# Altium PCB pico-fmeter-AS65-2.PcbDoc (part 2 of 3) (continued)
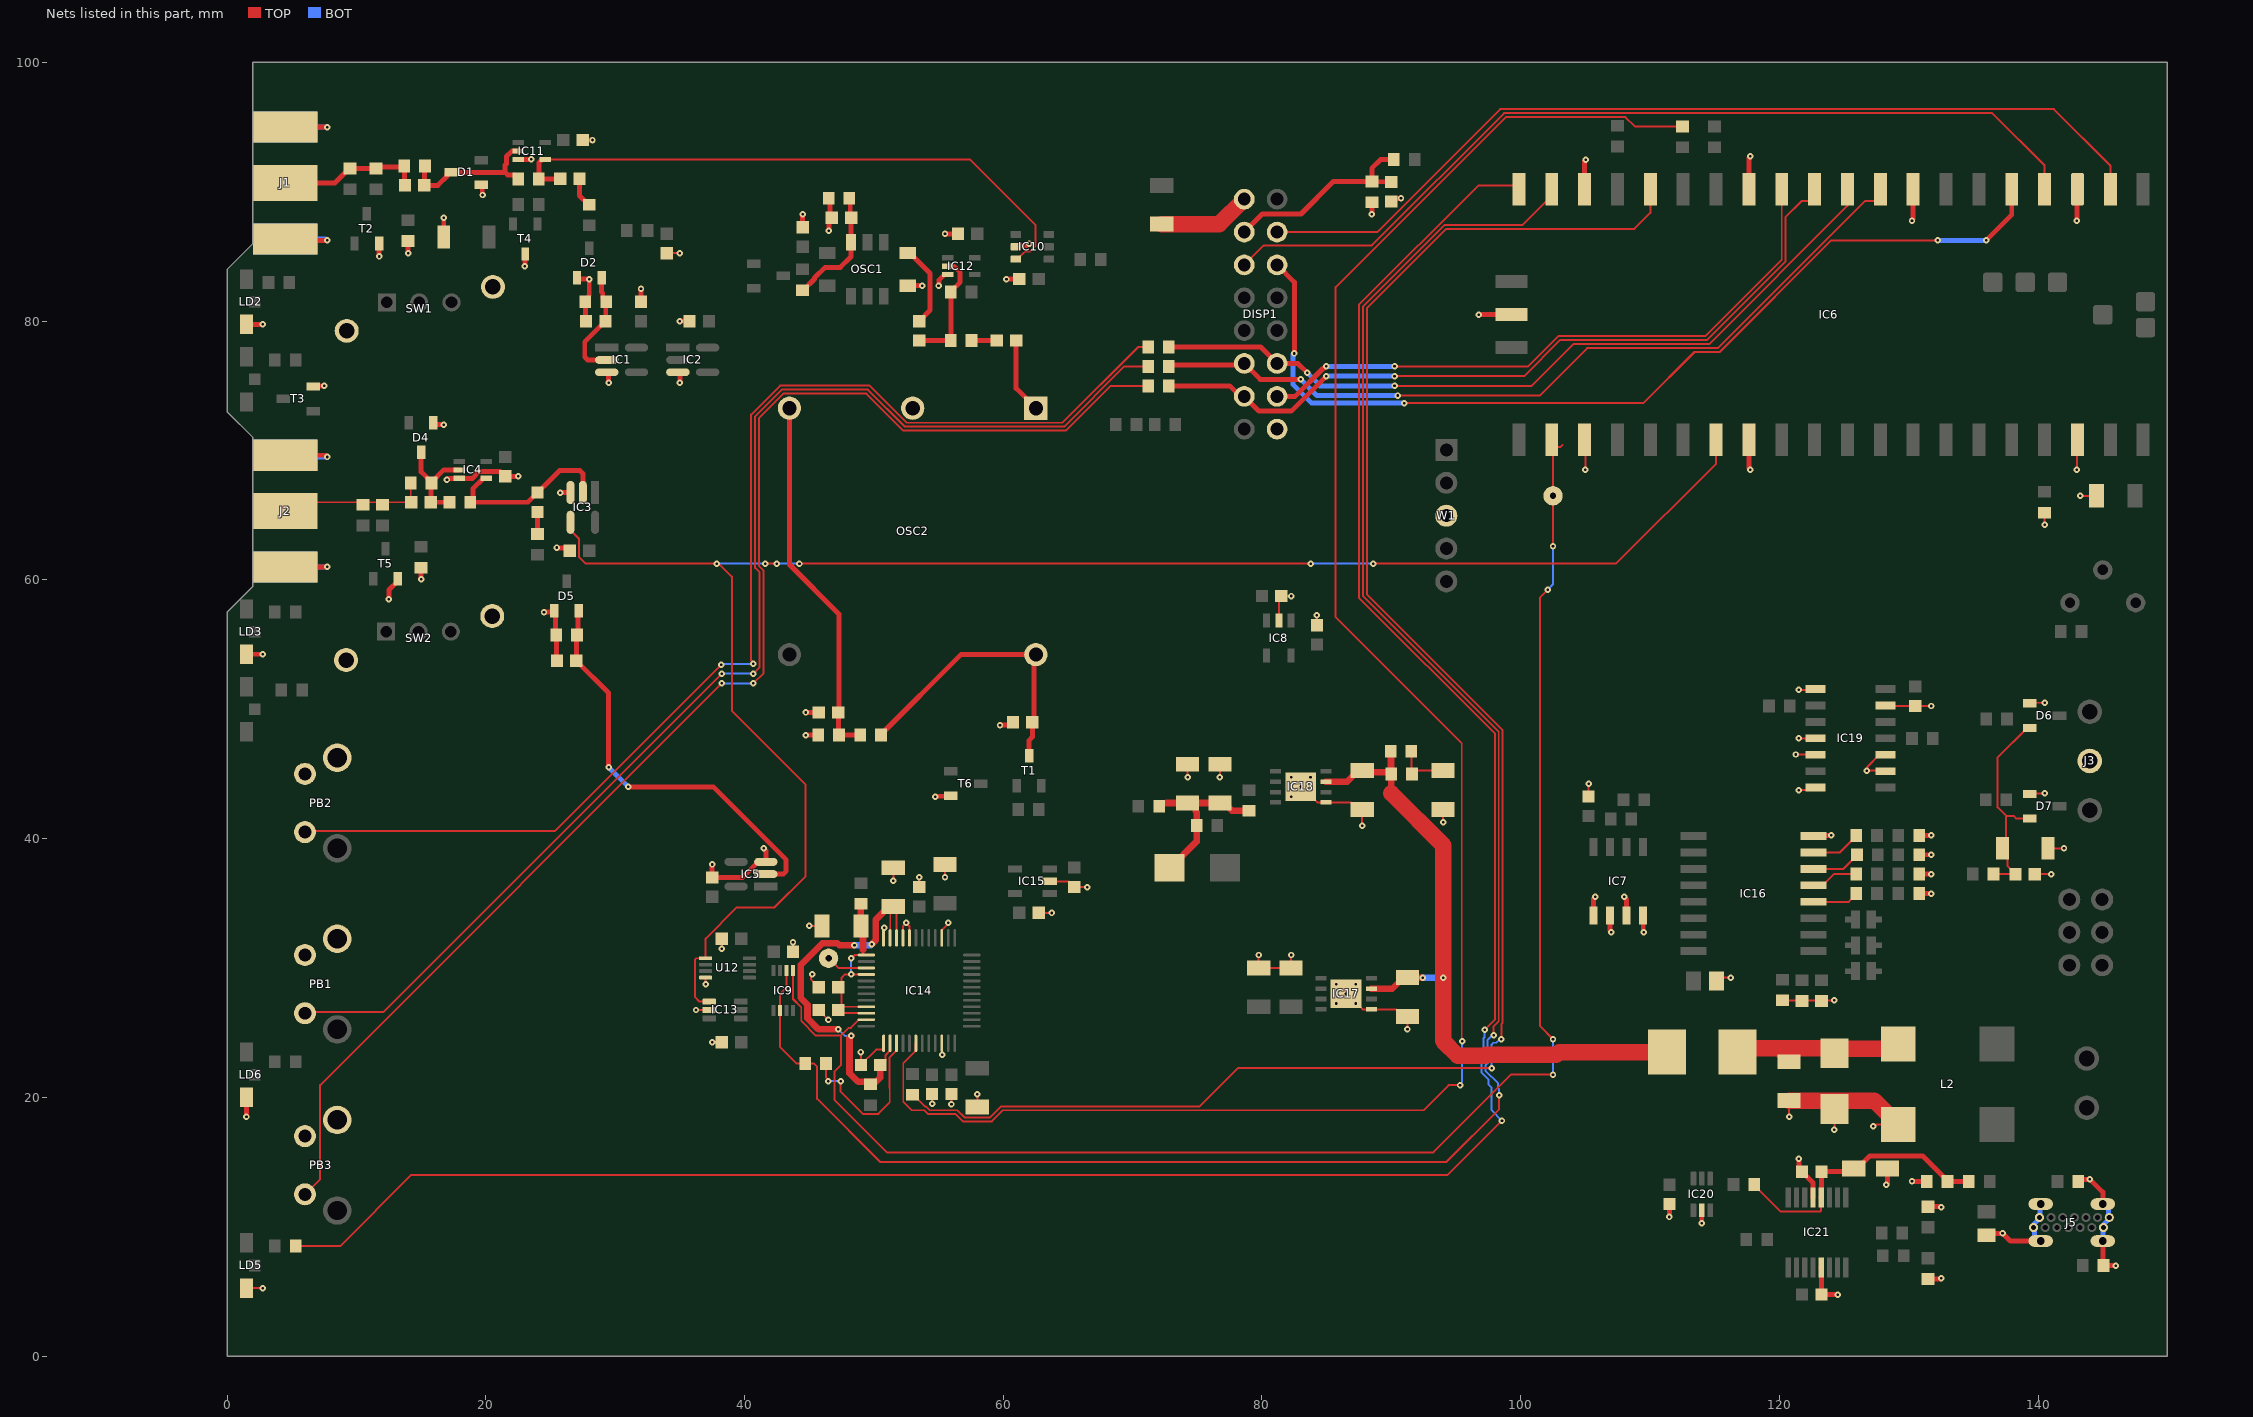
[diagram p2: the nets of this part, all layers, seen from the top]
## Part data (continued)
R9 R10 R17 R18 R30 R31: library part R0603_100R_1%_0.1W_100PPM, "Resistor - 1%", Case=0603, Manufacturer=GENERIC, Manufacturer1 ComponentHeight=0.55mm, Manufacturer1 Example="NIC COMPONENT", Manufacturer1 Part Number=NRC06F4700TRF, Power=0.1W, Tolerance=±1%, Author="CERN DEM JLC", Component Type=Standard, CreateDate=03.12.2007, HelpURL=\\cern.ch\dfs\Applications\Altium\Datasheets\R0603_NIC_NRC.pdf, LatestRevisionDate=13.03.2008, Manufacturer Part Number=R0603_100R_1%_0.1W_100PPM, Mounted=Yes, Part Description="General Purpose Thick Film Chip Resistor", Part Number=R0603_100R_1%_0.1W_100PPM, Pin Count=2, PressFit=No, Sense=No, SMD=Yes, Socket=No, Status=Preferred, TC=±100ppm/°C
R12 R22: library part R0603_1M_1%_0.1W_100PPM, "Resistor - 1%", Case=0603, Manufacturer=GENERIC, Manufacturer1 ComponentHeight=0.55mm, Manufacturer1 Example="NIC COMPONENT", Manufacturer1 Part Number=NRC06F1004TRF, Power=0.1W, Tolerance=±1%, Author="CERN DEM JLC", Component Type=Standard, CreateDate=03.12.2007, HelpURL=\\cern.ch\dfs\Applications\Altium\Datasheets\R0603_NIC_NRC.pdf, LatestRevisionDate=13.03.2008, Manufacturer Part Number=R0603_1M_1%_0.1W_100PPM, Mounted=Yes, Part Description="General Purpose Thick Film Chip Resistor", Part Number=R0603_1M_1%_0.1W_100PPM, Pin Count=2, PressFit=No, Sense=No, SMD=Yes, Socket=No, Status=Preferred, TC=±100ppm/°C
R14 R27 R28 R32 R33 R34 R40: library part R0603_3K3_1%_0.1W_100PPM, "Resistor - 1%", Case=0603, Manufacturer=GENERIC, Manufacturer1 ComponentHeight=0.55mm, Manufacturer1 Example="NIC COMPONENT", Manufacturer1 Part Number=NRC06F3301TRF, Power=0.1W, Tolerance=±1%, Author="CERN DEM JLC", Component Type=Standard, CreateDate=03.12.2007, HelpURL=\\cern.ch\dfs\Applications\Altium\Datasheets\R0603_NIC_NRC.pdf, LatestRevisionDate=13.03.2008, Manufacturer Part Number=R0603_3K3_1%_0.1W_100PPM, Mounted=Yes, Part Description="General Purpose Thick Film Chip Resistor", Part Number=R0603_3K3_1%_0.1W_100PPM, Pin Count=2, PressFit=No, Sense=No, SMD=Yes, Socket=No, Status=Preferred, TC=±100ppm/°C
R15: library part R0603_2M2_1%_0.1W_100PPM, "Resistor - 1%", Case=0603, Manufacturer=GENERIC, Manufacturer1 ComponentHeight=0.55mm, Manufacturer1 Example="NIC COMPONENT", Manufacturer1 Part Number=NRC06F2204TRF, Power=0.1W, Tolerance=±1%, Author="CERN DEM JLC", Component Type=Standard, CreateDate=03.12.2007, HelpURL=\\cern.ch\dfs\Applications\Altium\Datasheets\R0603_NIC_NRC.pdf, LatestRevisionDate=13.03.2008, Manufacturer Part Number=R0603_2M2_1%_0.1W_100PPM, Mounted=Yes, Part Description="General Purpose Thick Film Chip Resistor", Part Number=R0603_2M2_1%_0.1W_100PPM, Pin Count=2, PressFit=No, Sense=No, SMD=Yes, Socket=No, Status=Preferred, TC=±100ppm/°C
R24: library part R0603_1K_1%_0.1W_100PPM, "Resistor - 1%", Case=0603, Manufacturer=GENERIC, Manufacturer1 ComponentHeight=0.55mm, Manufacturer1 Example="NIC COMPONENT", Manufacturer1 Part Number=NRC06F1001TRF, Power=0.1W, Tolerance=±1%, Author="CERN DEM JLC", Component Type=Standard, CreateDate=03.12.2007, HelpURL=\\cern.ch\dfs\Applications\Altium\Datasheets\R0603_NIC_NRC.pdf, LatestRevisionDate=13.03.2008, Manufacturer Part Number=R0603_1K_1%_0.1W_100PPM, Mounted=Yes, Part Description="General Purpose Thick Film Chip Resistor", Part Number=R0603_1K_1%_0.1W_100PPM, Pin Count=2, PressFit=No, Sense=No, SMD=Yes, Socket=No, Status=Preferred, TC=±100ppm/°C
R26 R35 R57: library part R0603_0R_JUMPER, "Resistor", Case=0603, Manufacturer=GENERIC, Manufacturer1 ComponentHeight=0.55mm, Manufacturer1 Example="NIC COMPONENT", Manufacturer1 Part Number=NRC06Z0, Author="CERN DEM JLC", Component Type=Standard, CreateDate=03.12.2007, HelpURL=\\cern.ch\dfs\Applications\Altium\Datasheets\R0603_NIC_NRC.pdf, LatestRevisionDate=13.03.2008, Manufacturer Part Number=R0603_0R_JUMPER, Mounted=Yes, Part Description="1A (0.05R Max DC Resistance) Zero Ohm Jumper", Part Number=R0603_0R_JUMPER, Pin Count=2, PressFit=No, Sense=No, SMD=Yes, Socket=No, Status=Preferred
R29 R58: library part R0603_NO-VALUE, "Resistor", Case=0603, Author="CERN DEM JLC", Component Type=Standard, CreateDate=03.12.2007, HelpURL=Undefined, LatestRevisionDate=13.03.2008, Manufacturer=Undefined, Manufacturer1 ComponentHeight=Undefined, Manufacturer1 Example=Undefined, Manufacturer1 Part Number=Undefined, Manufacturer Part Number=R0603_NO-VALUE, Mounted=No, Part Description="Reserved Footprint For a 0603 (1608) Chip Resistor", Part Number=R0603_NO-VALUE, Pin Count=2, PressFit=No, Sense=No, SMD=Yes, Socket=No, Status=None
R51 R52: library part R0603_1R_1%_0.1W_200PPM, "Resistor - 1%", Case=0603, Manufacturer=GENERIC, Manufacturer1 ComponentHeight=0.65mm, Manufacturer1 Example="YAGEO PHYCOMP", Manufacturer1 Part Number="232270461008L or RC0603FR-071RL", Power=0.1W, Tolerance=±1%, Author="CERN DEM JLC", Component Type=Standard, CreateDate=03.12.2007, HelpURL=\\cern.ch\dfs\Applications\Altium\Datasheets\R0603_Phycomp_RC0603.pdf, LatestRevisionDate=17.10.2012, Manufacturer Part Number=R0603_1R_1%_0.1W_200PPM, Mounted=Yes, Part Description="General Purpose Thick Film Chip Resistor", Part Number=R0603_1R_1%_0.1W_200PPM, Pin Count=2, PressFit=No, Sense=No, SMD=Yes, Socket=No, Status=Preferred, TC=±200ppm/°C
R53 R54 R55 R56: library part R0603_33R_1%_0.1W_100PPM, "Resistor - 1%", Case=0603, Manufacturer=GENERIC, Manufacturer1 ComponentHeight=0.55mm, Manufacturer1 Example="NIC COMPONENT", Manufacturer1 Part Number=NRC06F33R0TRF, Power=0.1W, Tolerance=±1%, Author="CERN DEM JLC", Component Type=Standard, CreateDate=03.12.2007, HelpURL=\\cern.ch\dfs\Applications\Altium\Datasheets\R0603_NIC_NRC.pdf, LatestRevisionDate=13.03.2008, Manufacturer Part Number=R0603_33R_1%_0.1W_100PPM, Mounted=Yes, Part Description="General Purpose Thick Film Chip Resistor", Part Number=R0603_33R_1%_0.1W_100PPM, Pin Count=2, PressFit=No, Sense=No, SMD=Yes, Socket=No, Status=Preferred, TC=±100ppm/°C
R73 R74: library part R0603_27R_1%_0.1W_100PPM, "Resistor - 1%", Case=0603, Manufacturer=GENERIC, Manufacturer1 ComponentHeight=0.55mm, Manufacturer1 Example="NIC COMPONENT", Manufacturer1 Part Number=NRC06F27R0TRF, Power=0.1W, Tolerance=±1%, Author="CERN DEM JLC", Component Type=Standard, CreateDate=03.12.2007, HelpURL=\\cern.ch\dfs\Applications\Altium\Datasheets\R0603_NIC_NRC.pdf, LatestRevisionDate=13.03.2008, Manufacturer Part Number=R0603_27R_1%_0.1W_100PPM, Mounted=Yes, Part Description="General Purpose Thick Film Chip Resistor", Part Number=R0603_27R_1%_0.1W_100PPM, Pin Count=2, PressFit=No, Sense=No, SMD=Yes, Socket=No, Status=Preferred, TC=±100ppm/°C
R75 R76: library part R0603_5K1_1%_0.1W_100PPM, "Resistor - 1%", Case=0603, Manufacturer=GENERIC, Manufacturer1 ComponentHeight=0.55mm, Manufacturer1 Example="NIC COMPONENT", Manufacturer1 Part Number=NRC06F5101TRF, Power=0.1W, Tolerance=±1%, Author="CERN DEM JLC", Component Type=Standard, CreateDate=03.12.2007, HelpURL=\\cern.ch\dfs\Applications\Altium\Datasheets\R0603_NIC_NRC.pdf, LatestRevisionDate=13.03.2008, Manufacturer Part Number=R0603_5K1_1%_0.1W_100PPM, Mounted=Yes, Part Description="General Purpose Thick Film Chip Resistor", Part Number=R0603_5K1_1%_0.1W_100PPM, Pin Count=2, PressFit=No, Sense=No, SMD=Yes, Socket=No, Status=Preferred, TC=±100ppm/°C
SW1 SW2: library part CMP-17874-000001-1, "SWITCH PUSHBUTTON SPDT 0.3A 30V", Contact Current Rating=300mA, Contact Resistance=20mΩ, Manufacturer=E-Switch, Operating Force=230gf, Temperature="-20°C to +85°C", Temperature Range High=+85°C, Temperature Range Low=-20°C, Voltage Rating Dc=30V, Automotive=No, Category=Switch, ComponentLink2Description=Datasheet, ComponentLink2URL=https://www.e-switch.com/system/asset/product_line/data_sheet/36/LC.pdf, Device Class L1=Electromechanical, Device Class L2=Switches, Device Class L3="Pushbutton Switches", Digikey Description="SWITCH PUSHBUTTON SPDT 0.3A 30V", Electromechanical Life=10000Cycles, Footprint Url=http://spec_sheets.e-switch.com/specs/P070130.pdf, Height=8.55mm, Lead Free=Yes, Manufacturer Part Number=LC1258EENP, Mount="Through Hole", Mouser Description="Pushbutton Switch, Right Angle, Dpdt, On-(On), Pc Tail Terminal, Pcb Hole Count: 5", Octopart=https://octopart.com/lc1258eenp-e-switch-1061525, Package=LC1258EENP, RoHS=TRUE, Throw Configuration=SPDT
SW3: library part SW_APEM_PT65106L254, "Rotary Code Switch 1 2 4 8 C1 C2", Manufacturer=APEM, Manufacturer Part Number=PT65106L254, Author="CERN DEM JLC", Component Type=Standard, ComponentHeight=10mm, CreateDate=18.06.2014, Family=HEX, HelpURL=\\cern.ch\dfs\Applications\Altium\Datasheets\SW_APEM_PT65106L254.pdf, LatestRevisionDate=18.06.2014, Mounted=Yes, PackageDescription="Body 10x10mm, Right Angled Rotary Hexadecimal Code Switch With Screwdriver Actuator, APEM PT65 (CR65) Series", Part Description="Rotary Hexadecimal Right Angled Switch, Screwdriver Actuator, Straight terminals", Part Number=SW_APEM_PT65106L254, Pin Count=6, PressFit=No, Sense=No, SMD=No, Socket=No, Status=None
SW4 SW5 SW6: library part JUMPSMD0805_G50, "2 SMD Pads for Bound by Solder  Drop", Manufacturer=None, Author="CERN DEM JLC", Component Type="Standard (No BOM)", ComponentHeight=0mm, CreateDate=26.08.2009, Family=Switch, HelpURL=None, LatestRevisionDate=12.02.2021, Manufacturer Part Number=None, Mounted=No, PackageDescription="2 SMD Pads for Bound by Solder Drop - Equivalent Size 0805 - Gap 0.5mm", Part Description="2 SMD Pads for Bound by Solder Drop - Equivalent Size 0805 - Gap 0.5mm", Part Number=JUMPSMD0805_G50, Pin Count=2, PressFit=No, Sense=No, SMD=No, Socket=No, Status=None
T1 T7: "P-CHANNEL MOSFET WITH DIODE", Case=SOT23-3, Manufacturer="ON SEMICONDUCTOR", Manufacturer Part Number=BSS84L, Author="CERN DEM JLC", Bonding=No, Component Type=Standard, ComponentHeight=1.1mm, CreateDate=29.03.2012, Device=BSS84LT1G, HelpURL=\\cern.ch\dfs\Applications\Altium\Datasheets\BSS84LT1G.pdf, LatestRevisionDate=25.05.2022, Mounted=Yes, PackageDescription="SOT23, 0.95mm Pitch; 3 Pin, 1.40mm W X 3.00mm L X 1.10mm H body, IPC Medium Density", Part Description="50V, 130mA, Single P-Channel Power MOSFET", Part Number=BSS84LT1G, Pin Count=3, PressFit=No, Sense=No, SMD=Yes, Socket=No
T2 T3 T5 T6: "N-CHANNEL MOSFET WITH DIODE", Case=SOT23-3, Manufacturer="ON SEMICONDUCTOR", Manufacturer Part Number=BSS138L, Author="CERN DEM JLC", Bonding=No, Component Type=Standard, ComponentHeight=1.11mm, CreateDate=23.03.2009, Device=BSS138LT1G, HelpURL=\\cern.ch\dfs\Applications\Altium\Datasheets\BSS138LT1G.pdf, LatestRevisionDate=25.05.2022, Mounted=Yes, PackageDescription="SOT23, 0.95mm Pitch; 3 Pin, 1.40mm W X 3.00mm L X 1.10mm H body, IPC Medium Density", Part Description="50V, 200mA N-Channel Enhancement Mode Field-Effect Transistor", Part Number=BSS138LT1G, Pin Count=3, PressFit=No, Sense=No, SMD=Yes, Socket=No
T4: "PNP Transistor", Case=SOT23-3, Manufacturer="NXP SEMICONDUCTORS", Author="CERN DEM JLC", Bonding=No, Component Type=Standard, ComponentHeight=1.1mm, CreateDate=12.09.2012, Device=BC807-25, HelpURL=\\cern.ch\dfs\Applications\Altium\Datasheets\BC807-25.pdf, LatestRevisionDate=12.09.2012, Manufacturer Part Number=BC807-25, Mounted=Yes, PackageDescription="SOT23, 0.95mm Pitch; 3 Pin, 1.30mm W X 2.90mm L X 1.10mm H body, IPC Medium Density", Part Description="-45V, -500mA PNP General-Purpose Transistor", Part Number=BC807-25, Pin Count=3, PressFit=No, Sense=No, SMD=Yes, Socket=No
U12: library part CMP-0859-00714-3, "Low-Power Dual Positive-Edge-Triggered D-Type Flip-Flop, DCU0008A, LARGE T&R", F @ Nom Voltage(Max)(Mhz)=100, Generic Part Number=SN74AUP2G80, ICC @ Nom Voltage(Max)(mA)=0.0009, Manufacturer="Texas Instruments", Operating Temperature Range(C)="-40 to 85", Rating=Catalog, tpd @ Nom Voltage(Max)(ns)=28.4,20.7,14.1,11.2,7.9,6.4, Voltage(Nom)(V)=0.8,1.2,1.5,1.8,2.5,3.3, 3-State Output=No, Bits(#)=2, DatasheetVersion=SCES756A, Input Type=CMOS, Logic=True, Output Drive (IOL/IOH)(Max)(mA)=20/-20, Output Type=CMOS, PackageReference=DCU0008A, Schmitt Trigger=No, Sub-Family="D-Type Flip-Flop", Technology Family=AUP, VCC(Max)(V)=3.6, VCC(Min)(V)=0.8
W1: library part SAMTEC_HTSW-105-23-L-S, "5 Mini Wire-Wrap Contact Strip Header", Manufacturer=SAMTEC, Manufacturer Part Number=HTSW-105-23-L-S, Author="CERN DEM JLC", Component Type=Standard, ComponentHeight=8.38mm, CreateDate=22.02.2018, Family="Header 5", HelpURL=\\cern.ch\dfs\Applications\Altium\Datasheets\SAMTEC_HTSW-105-23-L-S.pdf, LatestRevisionDate=22.02.2018, Mounted=Yes, Part Description="5 Contacts, Pitch 2.54mm, Single Row  Through Mount Straight Header (Post Lead 5.84mm, Tail Lead 2.92mm, Insulator 2.54mm)", Part Number=SAMTEC_HTSW-105-23-L-S, Pin Count=5, PressFit=No, Sense=No, SMD=No, Socket=No, Status=Preferred, Status Comment="High Temperature"

## Via types
v1: diameter 0.5, hole 0.2, TOP to BOT, tented both sides, 307 vias

## Nets (pads, with @x,y where several pads share a name; then routed paths per layer and width w, separated by ;. In a path a pad name is that pad's centre, name@x,y a point inside that pad or via, vN(x,y) a via of type N, cw(c..) or ccw(c..) an arc to the next point about the centre after c; other vN are vias at no path point)
+KEY: PB1.2 R32.1 | length 100.1
  TOP w0.152: PB1.2@6.022,26.5 6.1,26.579 12.079,26.579 v1(38.25,52.75) ; v1(40.69,52.75) 41.168,53.229 41.168,60.578 40.821,60.926 40.821,72.648 42.881,74.708 49.539,74.708 52.406,71.842 64.705,71.842 69.364,76.5 R32.1@71.2,76.5
  BOT w0.152: v1(38.25,52.75) v1(40.69,52.75)
-KEY: PB2.2 R33.1 | length 94.6
  TOP w0.152: PB2.2@6.022,40.5 6.1,40.579 25.329,40.579 v1(38.195,53.445) ; v1(40.69,53.5) 40.69,53.594 40.516,53.768 40.516,72.774 42.755,75.013 49.666,75.013 52.533,72.146 64.579,72.146 70.432,78 R33.1@71.2,78
  BOT w0.152: v1(38.195,53.445) 38.25,53.5 v1(40.69,53.5)
CAP1: B1.1 IC6.22 IC9.5 IC14.35 | length 125
  TOP w0.152: IC9.5@43.75,29.8 43.75,27.598 44.386,26.962 44.386,25.907 45.525,24.767 47.45,24.767 ; IC14.35@49.425,26 49.405,25.98 48.834,25.98 48.227,25.374 48.056,25.374 47.45,24.767 ; v1(102.094,59.25) 101.5,58.656 101.5,25.5 v1(102.5,24.5) ; v1(102.5,21.75) 99.25,21.75 93.25,15.75 51,15.75 46.96,19.79 46.96,21.999 47.45,22.489 47.45,24.767 ; v1(102.5,62.593) 102.5,69.93 102.827,70.256 103.057,70.256 103.219,70.418
  BOT w0.152: v1(102.094,59.25) 102.5,59.656 v1(102.5,62.593) ; v1(102.5,21.75) v1(102.5,24.5)
CAP2: B2.1 IC14.27 | length 3.2
  TOP w0.152: B2.1@46.5,30.75 47.25,30 IC14.27@49.425,30
CONTRAST: C17.2 DISP1.3 R24.1 R25.2 | length 16
  TOP w0.381: DISP1.3@78.632,86.887 80.029,88.284 83.017,88.284 85.533,90.8 R25.2@88.5,90.8 ; C17.2@90,90.75 89.975,90.775 88.525,90.775 R25.2@88.5,90.8 ; R24.1@90.2,92.5 89.178,92.5 88.5,91.822 R25.2@88.5,90.8
F_IN: IC3.4 IC6.27 IC13.1 U12.1 | length 139.5
  TOP w0.152: IC3.4@26.55,64.449 26.55,63.852 27.204,63.199 27.204,61.773 27.727,61.25 38.017,61.25 39.017,60.25 39.017,49.872 44.729,44.161 44.729,37.092 42.319,34.683 39.409,34.683 37,32.273 U12.1@37,30.75 36.271,30.75 36.182,30.661 36.182,27.739 36.521,27.4 IC13.1@37.275,27.4 ; v1(41.604,61.25) v1(42.5,61.25) ; v1(44.25,61.25) v1(83.773,61.25) ; v1(88.588,61.25) 107.363,61.25 115.103,68.989 IC6.27@115.103,70.82
  BOT w0.152: v1(37.844,61.25) v1(41.604,61.25) ; v1(42.5,61.25) v1(44.25,61.25) ; v1(83.773,61.25) v1(88.588,61.25)
GND: C2.1 C3.1 C4.1 C5.1 C8.1 C9.1 C10.1 C12.1 C14.1 C15.1 C16.1 C17.1 C18.1 C19.1 C20.1 C21.1 C22.1 C23.1 C24.1 C25.1 C26.1 C27.1 C28.1 C29.1 C30.1 C31.1 C32.1 C33.1 C34.1 C35.1 C36.1 C37.1 C38.1 C39.1 C40.1 C42.1 C43.1 C44.1 C45.1 C46.1 C47.1 C48.1 C49.1 C50.1 C51.1 C52.1 C53.1 C54.2 C55.1 C56.1 C57.2 C58.2 C59.1 C60.1 D1.1 D2.1 D3.2 D4.1 D5.1 D6.1 D7.1 D8.2 D9.2 DISP1.1 DISP1.16 IC1.3 IC2.3 IC3.3 IC4.3 IC5.3 IC6.3 IC6.8 IC6.13 IC6.18 IC6.23 IC6.28 IC6.38 IC6.42 IC7.1 IC7.2 IC7.3 IC7.4 IC8.2 IC10.2 IC11.3 IC12.3 IC13.2 IC14.15 IC14.20 IC14.21 IC14.24 IC14.37 IC14.46 IC15.2 IC16.8 IC17.1 IC17.9 IC18.1 IC18.9 IC19.1 IC19.4 IC19.5 IC19.7 IC19.9 IC19.10 IC19.13 IC20.2 IC21.5 IC21.13 J1.2 J2.2 J3.2 J5.A1 J5.A12 J5.B1 J5.B12 J5.SHIELD L2.3 LD2.1 LD3.1 LD5.1 LD6.1 OSC1.4 OSC2.2 PB1.1 PB1.3 PB2.1 PB2.3 PB3.1 PB3.3 R4.1 R12.1 R13.1 R21.1 R22.1 R25.1 R26.2 R36.1 R37.1 R42.1 R49.1 R61.1 R62.1 R63.1 R64.1 R71.1 R75.1 R76.2 SW1.4 SW1.5 SW2.4 SW2.5 T2.2 T3.2 T4.3 T5.2 T6.2 U12.4 W1.3 | length 243.8
  TOP w0.152: LD5.1@1.5,5.25 v1(2.75,5.25) ; C36.1@34,85.25 v1(35,85.25) ; v1(36.25,26.75) IC13.2@37.275,26.75 ; v1(37,28.75) U12.4@37,29.25 ; v1(37.5,24.25) C25.1@38.25,24.25 ; v1(38.25,31.5) C35.1@38.25,32.25 ; C32.1@43.75,31.25 v1(43.75,32) ; v1(45,33.25) C23.1@46,33.25 ; v1(45.25,29.5) 45.25,29.406 45.136,29.292 45.136,29.114 C22.1@45.75,28.5 ; C24.1@45.75,26.75 46.49,26.01 v1(46.49,25.99) ; v1(49,23.5) C31.1@49,22.5 50.179,23.679 50.722,23.679 50.75,23.707 IC14.37@50.75,24.175 ; IC14.24@50.75,32.325 50.761,32.337 50.761,33.083 v1(50.788,33.11) ; v1(51.5,36.75) C30.1@51.5,37.75 ; IC14.21@52.25,32.325 52.25,33.232 v1@52.5,33.482 ; IC14.20@52.75,32.325 52.75,33.232 v1@52.5,33.482 ; C21.1@53.5,36.25 v1(53.5,37) ; v1(54.5,19.5) C29.1@54.5,20.25 ; IC14.46@55.25,24.175 55.261,24.163 55.261,23.335 v1(55.298,23.298) ; IC14.15@55.25,32.325 55.25,32.913 55.75,33.413 v1(55.75,33.489) ; v1(55.5,37) C28.1@55.5,38 ; v1(56,19.479) C19.1@56,20.25 ; C20.1@58,19.25 v1(58,20.25) ; C33.1@62.744,34.258 62.752,34.25 v1(63.75,34.25) ; IC15.2@63.6,36.7 65.052,36.7 65.502,36.25 v1(66.5,36.25) ; v1(74.25,44.75) C49.1@74.25,45.75 ; v1(76.75,44.75) C50.1@76.75,45.75 ; v1(79.75,31) C43.1@79.75,30 C44.1@82.25,30 v1(82.25,31) ; IC8.2@81.308,56.856 81.308,58.558 C27.1@81.5,58.75 v1(82.25,58.75) ; v1(83,44) 83.09,44 84.29,42.8 86.875,42.8 87.425,42.25 C47.1@87.75,42.25 v1(87.75,41) ; C37.1@84.25,56.5 v1(84.25,57.25) ; v1(87.25,27.25) 87.34,27.25 87.79,26.8 90.375,26.8 90.925,26.25 C46.1@91.25,26.25 v1(91.25,25.25) ; v1(94,41.25) C48.1@94,42.25 ; IC6.23@104.943,70.82 105,70.763 v1(105,68.5) ; C18.1@105.25,43.25 v1(105.25,44.25) ; C26.1@115.15,29 115.4,29.25 v1(116.25,29.25) ; R36.1@120.25,27.5 v1(124.25,27.5) ; v1(120.75,18.5) C45.1@120.75,19.75 ; v1(121.25,46.5) 122.78,46.5 IC19.5@122.8,46.48 ; v1(121.5,43.75) 122.61,43.75 IC19.7@122.8,43.94 ; v1(121.5,47.75) IC19.4@122.8,47.75 ; v1(121.5,51.5) 122.74,51.5 IC19.1@122.8,51.56 ; v1(124.25,17.5) D9.2@124.25,19.1 ; v1(127.25,17.75) 127.344,17.75 127.484,17.89 L2.3@129.19,17.89 ; IC19.9@128.2,45.21 128.16,45.25 v1(126.75,45.25) 126.817,45.317 126.817,45.572 127.725,46.48 IC19.10@128.2,46.48 ; IC19.13@128.2,50.29 128.24,50.25 v1(131.75,50.25) ; D7.1@139.35,43.45 139.4,43.5 v1(140.5,43.5) ; D6.1@139.35,50.45 139.4,50.5 v1(140.5,50.5) ; C51.1@139.75,37.25 v1(141,37.25) ; v1(140.5,64.25) R26.2@140.5,65.2 ; D8.2@140.75,39.25 v1(142,39.25) ; v1(143,68.5) 143,70.777 IC6.38@143.043,70.82 ; v1(143.25,66.5) C16.1@144.5,66.5 ; v1@52.5,33.482 v1(52.5,33.5) v1@52.5,33.482
  TOP w0.381: v1(1.5,18.5) LD6.1@1.5,20 ; LD3.1@1.5,54.25 v1(2.75,54.25) ; LD2.1@1.5,79.75 v1(2.75,79.75) ; J2.2@4.5,61 v1(7.75,61) ; J2.2@4.5,69.634 7.584,69.634 7.718,69.5 v1(7.75,69.5) ; J1.2@4.5,86.366 4.616,86.25 v1(7.75,86.25) ; J1.2@4.5,95 v1(7.75,95) ; T3.2@6.65,74.95 6.677,74.977 7.477,74.977 v1(7.5,75) ; v1(11.75,85) T2.2@11.75,86 ; v1(12.5,58.5) 12.523,58.523 12.523,59.223 13.2,59.9 T5.2@13.2,60.1 ; v1(14,85.25) R13.1@14,86.2 ; v1(15,60.05) R21.1@15,60.95 ; D4.1@15.95,72.15 16.077,72.023 16.727,72.023 v1(16.75,72) ; D3.2@16.75,86.5 v1(16.75,88) ; v1(17,67.75) 17.032,67.75 17.123,67.84 17.941,67.84 IC4.3@17.95,67.85 18.972,67.85 19.215,68.093 19.215,68.15 19.458,68.393 21.107,68.393 C12.1@21.5,68 v1(22.5,68) ; D1.1@19.65,90.55 19.727,90.473 19.727,89.773 v1(19.75,89.75) ; IC11.3@22.5,92.5 v1(23.5,92.5) ; v1(23,84.25) 23.023,84.273 23.023,85.173 T4.3@23.05,85.2 ; v1(24.5,57.5) 24.523,57.523 25.223,57.523 D5.1@25.3,57.6 25.375,57.525 25.375,55.775 25.475,55.675 25.475,53.775 C14.1@25.5,53.75 ; v1(25.5,62.5) 25.523,62.477 26.273,62.477 C10.1@26.5,62.25 ; v1(25.75,66.75) IC3.3@26.55,66.75 ; D2.1@27.05,83.35 27.127,83.273 27.977,83.273 v1(28,83.25) ; C8.1@27.5,94 v1(28.25,94) ; R12.1@27.7,81.5 27.959,81.76 27.959,81.992 28,82.033 v1@28,83.218 ; R12.1@27.725,81.475 27.725,80.025 C9.1@27.75,80 ; IC1.3@29.35,76.05 29.393,76.05 29.5,75.943 v1(29.5,75.25) ; C39.1@32,81.5 v1(32,82.5) ; IC2.3@34.85,76.05 34.893,76.05 35,75.943 v1(35,75.25) ; v1(35,80) C38.1@35.75,80 ; v1(37.5,38) C15.1@37.5,37 39.854,37 40.978,38.125 41.575,38.125 IC5.3@41.65,38.2 41.65,39.067 41.5,39.218 v1(41.5,39.25) ; C2.1@44.5,87.25 v1(44.5,88.25) ; v1(44.75,48) R49.1@45.7,48 ; v1(44.75,49.75) C42.1@45.75,49.75 ; v1(46.5,87) 46.523,87.023 46.523,87.977 46.5,88 46.625,88.125 46.625,89.375 R4.1@46.5,89.5 ; OSC1.4@52.605,82.73 52.615,82.74 53.74,82.74 v1(53.75,82.75) ; v1(54.75,43.25) 54.773,43.273 55.923,43.273 T6.2@55.95,43.3 ; v1(55,82.75) 55.023,82.773 55.023,83.173 55.45,83.6 IC12.3@55.7,83.6 ; v1(55.5,86.75) C3.1@56.5,86.75 ; v1(59.75,48.75) 59.773,48.773 60.523,48.773 C40.1@60.75,49 ; v1(60.25,83.25) C4.1@61.25,83.25 ; IC10.2@60.975,85.75 61.059,85.835 61.802,85.835 61.968,86 v1(62,86) ; v1(88.5,88.25) R25.1@88.5,89.2 ; C17.1@90,89.25 90.227,89.477 90.727,89.477 v1(90.75,89.5) ; v1(96.75,80.51) IC6.42@99.293,80.51 ; IC6.18@104.943,90.2 104.943,92.353 105.029,92.439 v1(105.029,92.471) ; IC7.1@105.637,34.046 105.637,35.355 105.75,35.468 v1(105.75,35.5) ; IC7.2@106.907,34.046 106.907,32.875 107,32.782 v1(107,32.75) ; v1(108,35.5) 108,35.468 108.177,35.291 IC7.3@108.177,34.046 ; IC7.4@109.447,34.046 109.477,34.016 109.477,32.773 v1(109.5,32.75) ; v1(111.5,10.75) C53.1@111.5,11.75 ; v1(114,10.25) IC20.2@114,11.275 ; IC6.28@117.643,70.82 117.643,68.639 117.75,68.532 v1(117.75,68.5) ; IC6.13@117.643,90.2 117.643,92.611 117.75,92.718 v1(117.75,92.75) ; v1(121.5,15.25) 121.523,15.227 121.523,14.477 122.595,13.405 IC21.13@122.595,12.25 ; IC16.8@122.65,40.195 122.682,40.227 123.977,40.227 v1(124,40.25) ; IC21.5@123.23,6.85 123.239,6.841 123.239,5.807 123.25,5.797 C59.1@123.25,4.75 v1(124.5,4.75) ; v1(128.25,13.25) 128.25,13.282 128.35,13.382 C54.2@128.35,14.5 ; v1(130.25,13.5) R71.1@131.4,13.5 ; v1(130.25,87.75) 130.25,87.782 130.343,87.875 IC6.8@130.343,90.2 ; R61.1@130.8,35.75 v1(131.75,35.75) ; R62.1@130.8,37.25 v1(131.75,37.25) ; R63.1@130.8,38.75 v1(131.75,38.75) ; R64.1@130.8,40.25 v1(131.75,40.25) ; C58.2@131.5,5.95 132.418,5.95 132.468,6 v1(132.5,6) ; C57.2@131.5,11.55 132.418,11.55 132.468,11.5 v1(132.5,11.5) ; C56.1@136,9.35 136.127,9.477 137.227,9.477 v1(137.25,9.5) 137.86,8.89 J5.SHIELD@140.2,8.89 ; v1(143,87.75) 143.021,87.771 143.021,90.179 IC6.3@143.043,90.2 ; R76.2@143.1,13.5 143.246,13.646 143.977,13.646 v1(144,13.669) 145,12.669 J5.SHIELD@145,11.75 ; J5.SHIELD@145,8.89 145.025,8.865 145.025,7.025 145.065,6.985 145.985,6.985 v1(146,6.971)
  TOP w1.27: C60.1@72.25,87.5 76.705,87.5 DISP1.1@78.632,89.427 ; C45.1@120.75,19.75 127.33,19.75 L2.3@129.19,17.89
  BOT w0.381: J2.2@4.5,61 v1(7.75,61) ; J2.2@4.5,69.634 4.634,69.5 v1(7.75,69.5) ; J1.2@4.5,86.366 7.602,86.366 7.718,86.25 v1(7.75,86.25) ; J1.2@4.5,95 v1(7.75,95) ; J5.SHIELD@140.2,8.89 139.951,8.89 139.711,9.13 139.711,9.869 J5.A12@139.65,9.93 139.711,9.991 139.711,10.235 140.1,10.624 J5.B1@140.1,10.71 140.15,10.76 140.15,11.7 J5.SHIELD@140.2,11.75 ; J5.SHIELD@145,8.89 145.025,8.915 145.025,9.905 J5.A1@145.05,9.93 145.111,9.991 145.111,10.235 145.5,10.624 J5.B12@145.5,10.71 145.439,10.771 145.439,11.51 145.199,11.75 J5.SHIELD@145,11.75
  other v1: 85.75,27.25 86.5,28 85.75,28.75 87.25,28.75 82.25,43.25 82.25,44.75 83.75,44.75
ID_1: IC16.4 R43.1 | length 3.6
  TOP w0.152: IC16.4@122.65,35.115 125.365,35.115 125.95,35.7 R43.1@125.95,35.75
ID_2: IC16.5 R44.1 | length 3.7
  TOP w0.152: IC16.5@122.65,36.385 123.35,36.385 124.215,37.25 R44.1@125.95,37.25
ID_4: IC16.6 R45.1 | length 3.8
  TOP w0.152: IC16.6@122.65,37.655 124.955,37.655 126,38.7 R45.1@126,38.75
ID_8: IC16.7 R60.1 | length 3.9
  TOP w0.152: IC16.7@122.65,38.925 124.675,38.925 125.95,40.2 R60.1@125.95,40.25
INIT_KEY: PB3.2 R34.1 | length 109.8
  TOP w0.152: PB3.2@6.022,12.5 7.193,13.671 7.193,20.943 v1(38.25,52) ; v1(40.69,52) 41.473,52.783 41.473,60.704 41.126,61.052 41.126,72.522 43.008,74.404 49.413,74.404 52.28,71.537 64.831,71.537 68.295,75 R34.1@71.2,75
  BOT w0.152: v1(38.25,52) v1(40.69,52)
INT_REQ: IC6.19 IC9.2 IC9.6 R40.1 | length 154.5
  TOP w0.152: IC9.6@43.25,29.8 43.25,28.5 42.75,28 IC9.2@42.75,26.7 42.75,23.883 44.021,22.612 R40.1@44.7,22.612 45.379,22.612 45.621,22.369 45.621,19.879 50.5,15 94.25,15 98.338,19.088 v1(98.338,20.162) ; v1(97.916,24.792) 97.916,25.485 98.305,25.874 98.305,48.26 87.805,58.76 87.805,81.124 94.124,87.443 100.146,87.443 102.403,89.7 IC6.19@102.403,90.2
  BOT w0.152: v1(97.916,24.792) 97.822,24.792 97.584,24.553 97.553,24.553 97.445,24.445 97.445,22.64 97.314,22.509 97.314,22.491 97.271,22.448 97.271,22.052 98.25,21.073 98.25,20.716 98.326,20.64 98.326,20.174 v1(98.338,20.162)
INTN: IC14.39 R40.2 | length 12.9
  TOP w0.152: R40.2@46.3,22.612 46.305,22.607 46.305,21.521 46.481,21.344 v1(46.481,21.25) ; v1(47.439,21.25) 47.439,20.438 49.155,18.721 50.345,18.721 51.229,19.605 51.229,20.698 51.204,20.723 51.204,23.057 51.73,23.584 51.73,24.155 IC14.39@51.75,24.175
  BOT w0.152: v1(46.481,21.25) v1(47.439,21.25)
LCD4: DISP1.11 IC6.9 R32.2 | length 63
  TOP w0.152: v1(90.5,74.25) 101.473,74.25 105.143,77.919 115.251,77.919 126.608,89.276 127.379,89.276 127.803,89.7 IC6.9@127.803,90.2
  TOP w0.381: R32.2@72.8,76.5 72.914,76.613 78.518,76.613 DISP1.11@78.632,76.727 79.859,75.5 v1(83,75.5)
  BOT w0.381: v1(83,75.5) 84.25,74.25 v1(90.5,74.25)
LCD5: DISP1.12 IC6.10 R33.2 | length 60.8
  TOP w0.152: v1(90.25,75) 100.847,75 104.07,78.224 114.573,78.224 125.263,88.914 IC6.10@125.263,90.2
  TOP w0.381: R33.2@72.8,78 79.899,78 DISP1.12@81.172,76.727 82.773,76.727 v1(83.5,76)
  BOT w0.381: v1(83.5,76) 84.5,75 v1(90.25,75)
LCD6: DISP1.13 IC6.11 R34.2 | length 60.1
  TOP w0.152: v1(90.25,75.75) 100.259,75.75 103.038,78.529 114.387,78.529 120.488,84.63 120.488,88.054 121.71,89.276 122.299,89.276 122.723,89.7 IC6.11@122.723,90.2
  TOP w0.381: R34.2@72.8,75 77.505,75 78.318,74.187 DISP1.13@78.632,74.187 79.775,73.044 82.261,73.044 v1(84.967,75.75)
  BOT w0.381: v1(84.967,75.75) v1(90.25,75.75)
LCD7: DISP1.14 IC6.12 | length 48.8
  TOP w0.152: v1(90.25,76.5) 100.578,76.5 102.912,78.833 114.26,78.833 120.183,84.756 IC6.12@120.183,90.2
  TOP w0.381: DISP1.14@81.172,74.187 82.565,74.187 84.721,76.343 84.777,76.343 84.934,76.5 v1(84.967,76.5)
  BOT w0.381: v1(84.967,76.5) v1(90.25,76.5)
LCD_E: DISP1.6 IC6.5 | length 74
  TOP w0.152: v1(91,73.657) 109.48,73.657 113.437,77.614 115.377,77.614 124.013,86.25 v1(132.25,86.25)
  TOP w0.381: DISP1.6@81.172,84.347 82.5,83.019 v1(82.5,77.5) ; v1(136,86.25) 137.963,88.213 IC6.5@137.963,90.2
  BOT w0.381: v1(82.5,77.5) 82.407,77.407 82.407,75.093 83.843,73.657 v1(91,73.657) ; v1(132.25,86.25) v1(136,86.25)
LCD_RS: DISP1.4 IC6.2 | length 72
  TOP w0.152: DISP1.4@81.172,86.887 88.91,86.887 98.411,96.388 141.225,96.388 145.583,92.031 IC6.2@145.583,90.2
LCD_RW: DISP1.5 IC6.4 | length 70.2
  TOP w0.152: DISP1.5@78.632,84.347 80.143,85.858 88.496,85.858 98.721,96.083 136.45,96.083 140.503,92.031 IC6.4@140.503,90.2
LD5: IC6.20 R41.2 | length 182.1
  TOP w0.152: R41.2@5.3,8.5 8.75,8.5 14.25,14 94.358,14 v1(98.554,18.196) ; v1(97.211,25.211) 98,26 98,48.133 87.5,58.633 87.5,81.25 96.75,90.5 99.563,90.5 IC6.20@99.863,90.2
  BOT w0.152: v1(97.211,25.211) 97.211,24.642 97.14,24.571 97.14,23.219 96.967,23.045 96.967,21.926 97.5,21.392 97.5,21 97.75,20.75 97.75,19 v1(98.554,18.196)
MISO: IC6.16 R56.1 | length 137.5
  TOP w0.152: R56.1@53,20.2 53.05,20.2 53.945,19.305 54.018,19.305 54.323,19 56.452,19 57.005,18.446 58.995,18.446 59.853,19.305 75.186,19.305 78.132,22.25 v1(97.75,22.25) ; v1(98.5,24.5) 98.5,25.638 98.61,25.748 98.61,48.386 88.11,58.886 88.11,80.998 94.25,87.138 108.787,87.138 110.023,88.373 IC6.16@110.023,90.2
  BOT w0.152: v1(97.75,22.25) 97.75,24.073 97.895,24.218 98.124,24.218 98.406,24.5 v1(98.5,24.5)
MOSI: IC14.42 R54.1 | length 148.1
  TOP w0.152: IC14.42@53.25,24.175 53.23,24.155 53.23,23.584 52.271,22.625 52.271,19.655 52.927,19 53.892,19 54.197,18.695 56.325,18.695 56.879,18.142 59.121,18.142 59.979,19 92.5,19 94.438,20.938 v1(95.312,20.938) ; v1(95.474,24.349) 95.445,24.378 95.445,47.374 85.695,57.124 85.695,82.626 98.848,95.779 108.095,95.779 108.823,95.05 R54.1@112.5,95.05
  BOT w0.152: v1(95.312,20.938) 95.312,21.032 95.474,21.193 v1(95.474,24.349)
NetC1_1: C1.1 OSC1.5 | length 6.4
  TOP w0.381: OSC1.5@52.605,85.27 52.775,85.27 54.343,83.702 54.343,80.843 C1.1@53.5,80
NetC1_2: C1.2 IC12.2 R2.1 R50.1 | length 9.2
  TOP w0.381: C1.2@53.5,78.5 R50.1@55.95,78.5 55.95,82.3 56.667,83.017 56.667,83.768 56.194,84.24 55.709,84.24 IC12.2@55.7,84.25
NetC5_2: C5.2 OSC1.8 R3.1 R4.2 | length 9.4
  TOP w0.381: R3.1@44.5,82.4 44.55,82.4 45.412,83.262 45.412,83.342 46.231,84.161 47.411,84.161 48.23,84.98 OSC1.8@48.23,86.09 48.24,86.1 48.24,87.925 48.165,88 48.175,88.01 48.175,89.425 R4.2@48.1,89.5
NetC6_1: C6.1 IC10.3 IC11.4 R5.2 | length 47
  TOP w0.152: IC11.4@24.6,92.5 57.427,92.5 62.479,87.448 62.479,85.802 62.077,85.4 61.7,85.4 61.1,84.8 IC10.3@60.975,84.8
  TOP w0.381: IC11.4@24.6,92.5 24.35,92.5 24.1,92.25 R5.2@24.1,91 C6.1@25.75,91
NetC6_2: C6.2 R7.1 | length 2.3
  TOP w0.381: C6.2@27.25,91 27.25,89.7 27.95,89 R7.1@28,89
NetC7_1: C7.1 J1.1 R6.1 R9.2 R10.2 | length 11.3
  TOP w0.381: J1.1@4.5,90.683 8.333,90.683 9.45,91.8 11.4,91.8 11.5,91.9 13.6,91.9 R6.1@13.7,92 13.725,91.975 13.725,90.525 C7.1@13.75,90.5
NetC7_2: C7.2 D1.3 IC11.2 R5.1 R6.2 | length 11.9
  TOP w0.381: R6.2@15.3,92 15.275,91.975 15.275,90.525 C7.2@15.25,90.5 16.297,90.5 17.016,91.219 17.016,91.365 17.15,91.5 21.5,91.5 ; R5.1@22.5,91 22.5,91.05 22.24,91.31 21.69,91.31 21.5,91.5 ; IC11.2@22.5,93.15 22.491,93.141 22.006,93.141 21.593,92.728 21.593,92.16 21.5,92.067 21.5,91.5
NetC9_2: C9.2 D2.2 IC1.2 R12.2 | length 8.7
  TOP w0.381: D2.2@28.95,83.35 28.95,82.254 29.04,82.163 29.04,81.777 29.275,81.542 29.275,80.025 27.652,78.402 27.652,77.223 27.875,77 IC1.2@29.35,77
NetC11_1: C11.1 J2.1 R16.1 R17.2 R18.2 | length 11.6
  TOP w0.152: J2.1@4.5,65.317 5.183,66 C11.1@14.25,66 14.2,66.05 R16.1@14.2,67.5
NetC11_2: C11.2 D4.3 IC4.2 R15.1 R16.2 | length 8.2
  TOP w0.381: D4.3@15,69.85 15,68.35 R16.2@15.8,67.55 ; R15.1@17.2,66 C11.2@15.75,66 15.775,66.025 15.775,67.475 R16.2@15.8,67.5 ; IC4.2@17.95,68.5 16.75,68.5 R16.2@15.8,67.55 ; R16.2@15.8,67.5 R16.2@15.8,67.55 ; R16.2@15.8,67.5 R16.2@15.8,67.55
NetC13_1: C13.1 IC3.2 IC4.4 R15.2 | length 13.8
  TOP w0.381: IC4.4@20.05,67.85 20.041,67.84 19.79,67.84 19.022,67.072 19.022,66.222 R15.2@18.8,66 23.25,66 25.697,68.447 27.277,68.447 27.5,68.224 IC3.2@27.5,66.75
NetC13_2: C13.2 R19.1 | length 1.7
  TOP w0.381: R19.1@24,63.55 C13.2@24,65.25
NetC14_2: C14.2 D5.2 IC5.2 R22.2 | length 32.5
  TOP w0.381: D5.2@27.2,57.6 27.125,57.525 27.125,55.775 27.025,55.675 27.025,53.775 C14.2@27,53.75 29.5,51.25 v1(29.5,45.5) ; v1(31,44) 37.588,44 43.223,38.365 43.223,37.473 43,37.25 IC5.2@41.65,37.25
  BOT w0.381: v1(29.5,45.5) v1(31,44)
NetC22_2: C22.2 C23.2 C24.2 IC14.25 IC14.28 IC14.33 IC14.34 R38.1 | length 16.7
  TOP w0.152: v1(48.25,30.75) 48.268,30.75 48.518,31 IC14.25@49.207,31 ; 49.161,31.411 49.161,31.028 49.189,31 IC14.25@49.207,31 ; IC14.34@49.425,26.5 47.5,26.5 C24.2@47.25,26.75 ; IC14.33@49.425,27 C24.2@47.5,27 ; IC14.28@49.425,29.5 v1(48.25,29.5) 47.75,29.5 47.5,29.25 47.5,28.75 C22.2@47.25,28.5 47.5,28.25 C24.2@47.5,27 ; IC14.25@49.425,31 IC14.25@49.207,31 ; C24.2@47.25,26.75 C24.2@47.5,27 ; C24.2@47.25,26.75 C24.2@47.5,27 ; C24.2@47.25,26.75 C24.2@47.5,27 ; C24.2@47.25,26.75 C24.2@47.5,27
  TOP w0.508: R38.1@49,34.95 C23.2@49,33.25 49.161,33.089 49.161,31.411
  BOT w0.152: v1(48.25,29.5) v1(48.25,30.75)
NetC30_2: C30.2 C31.2 IC14.22 IC14.23 IC14.38 R39.2 | length 31.9
  TOP w0.152: C31.2@50.5,22.5 50.899,22.899 50.899,23.252 51.23,23.584 51.23,24.155 IC14.38@51.25,24.175 ; IC14.23@51.25,32.325 51.25,32.913 51.267,32.93 51.267,34.483 C30.2@51.25,34.5 ; C30.2@51.5,34.75 51.75,34.5 IC14.22@51.75,32.325
  TOP w0.508: v1(47.25,25.25) 45.725,25.25 44.869,26.107 44.869,27.162 44.344,27.687 44.344,30.229 46.021,31.906 47.182,31.906 47.339,31.75 v1(48.5,31.75) ; v1(48.25,24.75) 48.119,24.619 48.119,21.857 48.779,21.196 49.554,21.196 R39.2@49.75,21 ; R39.2@49.75,21.196 50.171,21.196 50.5,21.525 C31.2@50.5,22.5 ; v1(49.821,31.817) 50.132,32.128 50.132,33.707 51.175,34.75 C30.2@51.5,34.75
  BOT w0.152: v1(47.25,25.25) 47.75,24.75 v1(48.25,24.75)
  BOT w0.508: v1(48.5,31.75) 49.754,31.75 v1(49.821,31.817)
NetC40_2: C40.2 OSC2.5 R48.2 T1.3 | length 22.6
  TOP w0.381: R48.2@50.55,48 50.55,48.05 56.725,54.225 OSC2.5@62.525,54.225 62.388,54.088 62.388,49.138 C40.2@62.25,49 62.25,47.85 62,47.6 T1.3@62,46.4
NetC41_1: C41.1 OSC2.1 | length 5.9
  TOP w0.381: C41.1@61,78.5 61,74.8 OSC2.1@62.525,73.275
NetC41_2: C41.2 R50.2 | length 1.9
  TOP w0.381: R50.2@57.55,78.5 C41.2@59.5,78.5
NetC42_2: C42.2 OSC2.3 R48.1 R49.2 | length 28.5
  TOP w0.381: OSC2.3@43.475,73.275 43.475,61.187 47.3,57.362 47.3,49.75 47.275,49.725 47.275,48.025 R49.2@47.3,48 R48.1@48.95,48
NetC45_2: C45.2 D9.1 L1.1 L2.2 | length 14.1
  TOP w0.381: L1.1@116.75,23.5 L1.1@117,23.5 ; 119.675,23.5 120.425,22.75 C45.2@120.75,22.75
  TOP w1.27: L1.1@117,23.5 117.305,23.805 124.25,23.805 124.3,23.755 128.835,23.755 L2.2@129.19,24.11
NetC46_2: C46.2 C47.2 IC17.3 IC18.3 L1.2 R51.2 R52.2 | length 53.1
  TOP w0.508: IC18.3@84.95,44.4 86.575,44.4 87.425,45.25 C47.2@87.75,45.25 87.875,45.125 89.875,45.125 R51.2@90,45 90,43.5 ; IC17.3@88.45,28.4 90.075,28.4 90.925,29.25 C46.2@91.25,29.25 ; R52.2@89.95,46.75 89.975,46.725 R51.2@89.975,45.025 ; C46.2@91.452,29.25 v1(92.425,29.25)
  TOP w1.27: 90,43.5 94,39.5 94,24.356 95.143,23.213 97.245,23.213 97.32,23.287 102.755,23.287 102.967,23.5 L1.2@111.3,23.5
  BOT w0.508: v1(92.425,29.25) v1(94,29.25)
NetC48_2: C48.2 R51.1 R52.1 | length 4.3
  TOP w0.152: R52.1@91.55,46.75 91.55,45.05 R51.1@91.6,45 91.85,45.25 C48.2@94,45.25
NetC49_2: C49.2 C50.2 D10.1 R57.1 R58.2 R59.2 | length 13.4
  TOP w0.508: R57.1@72.05,42.5 72.05,42.55 72.246,42.746 72.584,42.746 72.588,42.75 C49.2@74.575,42.75 ; D10.1@72.85,37.75 72.925,37.75 74.95,39.775 74.95,42.05 74.896,42.104 74.896,42.429 C49.2@74.575,42.75 ; R59.2@79,42.15 77.675,42.15 77.075,42.75 C49.2@74.575,42.75
NetC51_2: C51.2 D6.2 D7.2 D8.1 R65.1 | length 16.9
  TOP w0.152: R65.1@136.55,37.25 C51.2@138.25,37.25 137.636,37.864 137.636,38.864 D8.1@137.25,39.25 137.527,39.527 137.527,41.75 ; D7.2@139.35,41.55 138.314,41.55 138.114,41.75 137.527,41.75 ; D6.2@139.35,48.55 139.15,48.55 136.871,46.271 136.871,42.405 137.527,41.75
NetC54_1: C54.1 C55.2 IC21.12 L3.1 R70.2 R71.2 | length 21.9
  TOP w0.152: R70.2@118.05,13.25 118.05,13.2 120.093,11.157 123.141,11.157 123.23,11.246 IC21.12@123.23,12.25
  TOP w0.381: IC21.12@123.23,12.25 123.239,12.26 123.239,14.239 C55.2@123.25,14.25 125.5,14.25 C54.1@125.75,14.5 126.025,14.5 126.993,15.468 131.082,15.468 133,13.55 R71.2@133,13.5 L3.1@134.65,13.5